# Altium PCB PCB1.PcbDoc (part 2 of 2) (continued)
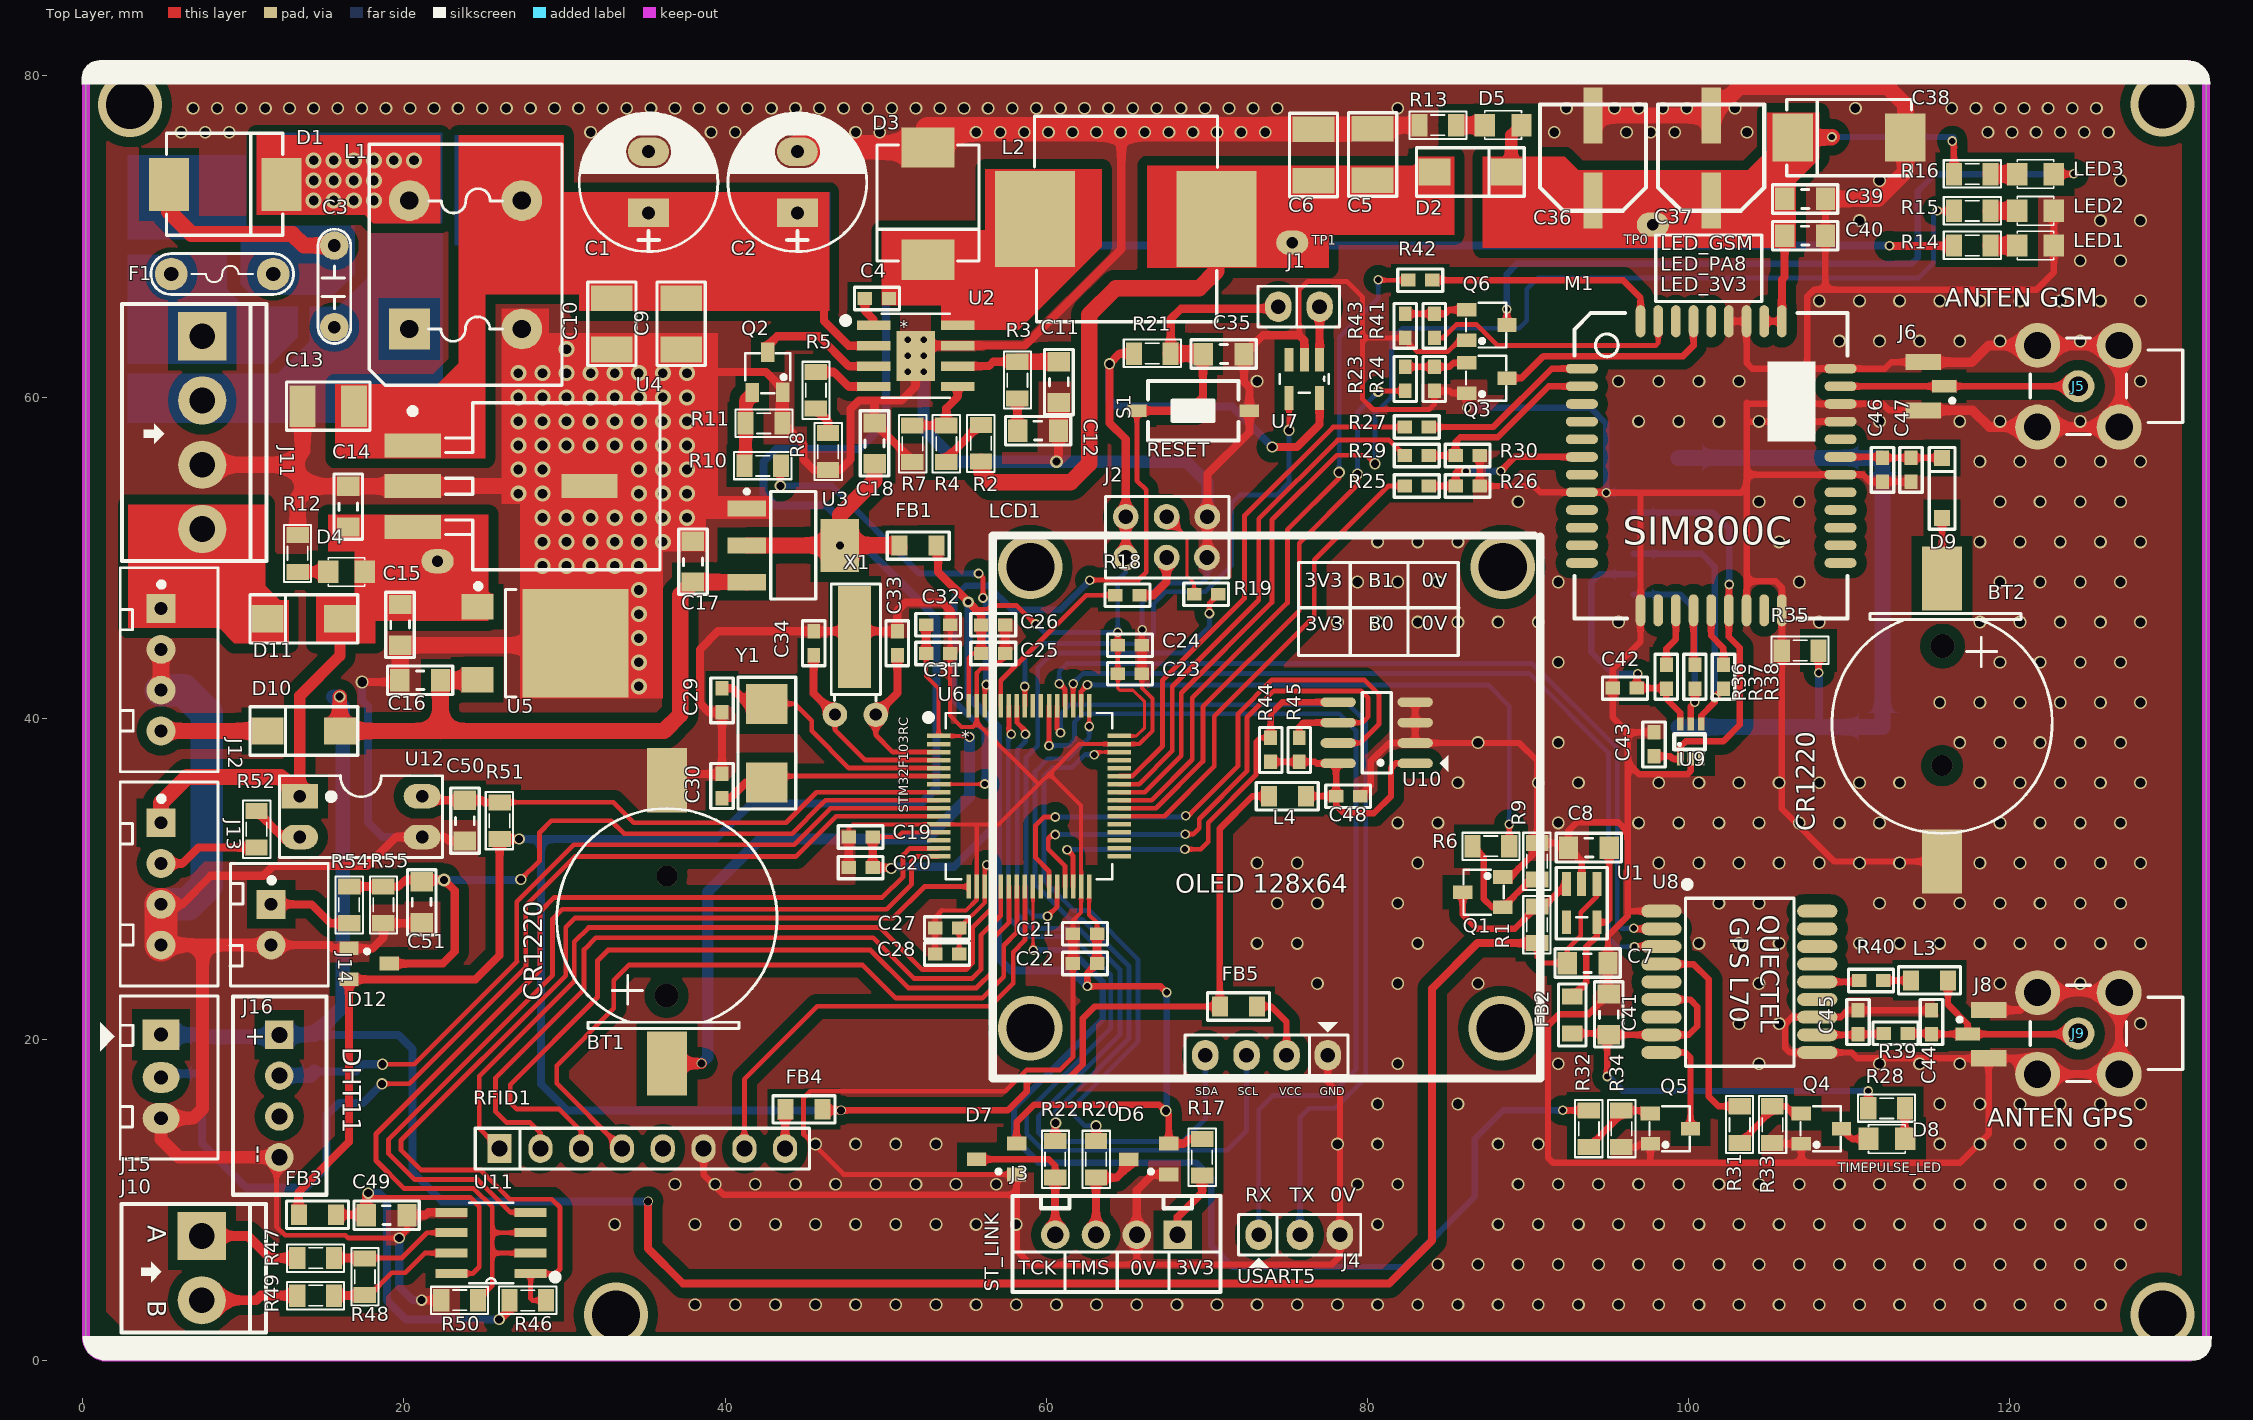
[diagram p0: Top Layer view]
## Nets (pads, with @x,y where several pads share a name; then routed paths per layer and width w, separated by ;. In a path a pad name is that pad's centre, name@x,y a point inside that pad or via, vN(x,y) a via of type N, cw(c..) or ccw(c..) an arc to the next point about the centre after c; other vN are vias at no path point) (continued)
GSM_NETLIGHT: M1.41 R41.1 | length 16.2
  Top Layer w0.3: R41.1@84.16,63.691 84.696,63.691 85.522,64.516 86.792,64.516 88.095,63.213 97.935,63.213 98.097,63.375 M1.41@98.097,64.728
GSM_PWRKEY: R23.1 U6.39 | length 35.7
  Top Layer w0.3: U6.39@64.543,34.404 66.829,34.404 69.748,37.323 69.748,40.716 75.743,46.711 75.743,50.902 79.375,54.534 v4(79.375,55.22) ; v7(80.67,60.35) 80.709,60.389 R23.1@82.347,60.389
  Bottom Layer w0.3: v4(79.375,55.22) 79.375,59.055 v7(80.67,60.35)
GSM_RF: J5.1 J6.1 M1.32 | length 14.8
  Top Layer w0.4: M1.32@109.447,60.678 115.902,60.678 J6.1@115.905,60.681 J5.1@124.257,60.681
GSM_RXD: R27.1 U6.43 | length 32.2
  Top Layer w0.3: U6.43@64.543,36.404 65.36,36.404 67.234,38.278 67.234,42.367 72.339,47.473 72.339,52.629 77.851,58.141 R27.1@82.309,58.141
GSM_STATUS: R42.2 U6.40 | length 42.1
  Top Layer w0.3: U6.40@64.543,34.904 66.552,34.904 69.088,37.44 69.088,41.275 75.006,47.193 75.006,51.74 78.232,54.966 v4(78.232,55.321) ; v3(80.67,67.31) 80.696,67.285 R42.2@82.536,67.285
  Bottom Layer w0.3: v4(78.232,55.321) 78.232,63.729 80.67,66.167 v3(80.67,67.31)
GSM_TXD: R29.1 U6.42 | length 32.4
  Top Layer w0.3: U6.42@64.543,35.904 65.774,35.904 67.843,37.973 67.843,41.986 73.228,47.371 73.228,52.426 78.13,57.328 81.344,57.328 R29.1@82.309,56.363
LCD_SCL: LCD1.3 U6.59 | length 52.5
  Top Layer w0.3: U6.59@57.667,40.78 57.667,39.158 v3(57.81,39.014)
  Bottom Layer w0.3: v3(57.81,39.014) 57.634,38.838 57.634,27.609 58.826,26.416 61.62,26.416 64.008,24.028 64.008,20.701 58.776,15.469 58.776,14.148 59.817,13.106 71.247,13.106 72.466,14.326 LCD1.3@72.466,19.025
LCD_SDA: LCD1.4 U6.58 | length 48.6
  Top Layer w0.3: U6.58@58.167,40.78 58.167,39.75 58.699,39.218 v3(58.699,39.014)
  Bottom Layer w0.3: v3(58.699,39.014) 58.699,38.557 58.188,38.045 58.188,27.842 59.106,26.924 62.001,26.924 64.592,24.333 64.592,20.32 59.512,15.24 59.512,14.199 60.05,13.66 68.504,13.66 69.901,15.057 LCD1.4@69.901,19.025
MCU_BOOT0: R18.1 U6.60 | length 10.9
  Top Layer w0.3: U6.60@57.167,40.78 57.167,42.359 58.048,43.24 58.06,43.24 58.297,43.476 58.297,43.489 62.479,47.671 R18.1@64.3,47.671
MCU_BOOT1: R19.1 U6.28 | length 32.9
  Top Layer w0.3: v3(60.071,27.686) 60.667,28.282 U6.28@60.667,29.527 ; v3(70.155,46.533) 70.155,47.181 R19.1@70.701,47.727
  Bottom Layer w0.3: v3(60.071,27.686) 59.207,27.686 58.742,28.152 58.742,37.583 59.461,38.303 59.461,43.155 60.376,44.069 68.478,44.069 70.155,45.745 v3(70.155,46.533)
MCU_RESET: C35.1 J1.1 R21.1 S1.1 U6.7 | length 57.9
  Top Layer w0.2: U6.7@53.291,35.904 56.147,35.904 v3(56.159,35.916)
  Top Layer w0.3: v3@62.814,48.616 65.735,48.616 66.218,49.098 66.218,54.229 65.639,54.808 S1.1@65.639,59.157
  Top Layer w0.508: S1.1@65.639,59.157 68.885,59.157 ; R21.1@67.742,62.713 67.742,64.872 68.377,65.507 74.219,65.507 J1.1@74.346,65.634 ; 69.266,59.157 68.885,59.157 ; C35.1@69.748,62.713 69.748,60.02 68.885,59.157
  Top Layer w1: R21.1@67.742,62.713 C35.1@69.748,62.713
  Bottom Layer w0.4: v3(56.159,35.916) 56.159,39.192 54.254,41.097 54.254,47.523 54.991,48.26 56.376,48.26 57.861,46.775 60.885,46.775 v3(62.713,48.602)
MCU_TCK: R22.2 U6.49 | length 34
  Top Layer w0.2: v3(62.667,39.497) U6.49@62.667,40.78
  Top Layer w0.4: R22.2@60.554,13.691 60.554,14.783 v4(60.579,14.808)
  Bottom Layer w0.3: v4(60.579,14.808) 60.579,15.523 65.146,20.091 65.146,24.563 62.231,27.478 61.498,27.478 59.296,29.681 59.296,36.69 60.096,37.49 61.366,37.49 62.667,38.791 v3(62.667,39.497)
MCU_TMS: R20.2 U6.46 | length 33.7
  Top Layer w0.2: v3(62.992,37.744) 63.151,37.904 U6.46@64.543,37.904
  Top Layer w0.4: R20.2@63.094,13.691 v4(63.094,14.63)
  Bottom Layer w0.3: v3(62.992,37.744) 62.404,37.744 61.596,36.936 60.381,36.936 59.85,36.405 59.85,29.91 61.718,28.042 62.662,28.042 65.7,25.003 65.7,19.861 61.667,15.828 61.667,15.346 62.382,14.63 v4(63.094,14.63)
MCU_WDI: U6.57 U7.4 | length 32.6
  Top Layer w0.3: U6.57@58.667,40.78 v3(58.667,41.986) ; v4(75.108,57.937) 75.113,57.942 U7.4@75.113,59.944
  Bottom Layer w0.3: v3(58.667,41.986) 58.667,43.833 59.487,44.653 64.155,44.653 64.16,44.648 66.091,44.648 66.668,45.225 66.668,47.114 67.438,47.884 69.902,47.884 71.526,49.509 71.526,53.391 72.034,53.899 74.32,53.899 75.108,54.686 v4(75.108,57.937)
NetBT2_1: BT2.1 D9.1 | length 3.8
  Top Layer w0.4: BT2.1@115.773,48.717 D9.1@115.773,52.482
NetC3_2: C3.2 D1.1 F1.2 | length 17.9
  Top Layer w1: D1.1@5.378,73.254 5.378,71.559 6.782,70.155 13.056,70.155 13.767,69.444 C3.2@15.672,69.444
  Bottom Layer w1: F1.2@11.862,67.666 14.732,67.666 15.672,68.605 C3.2@15.672,69.444
NetC4_1: C4.1 U2.1 | length 1.9
  Top Layer w0.508: C4.1@48.704,66.149 48.704,65.368 49.243,64.829 U2.1@49.243,64.475
NetC4_2: C4.2 D3.2 L2.1 U2.8 | length 17.1
  Top Layer w0.508: C4.2@50.204,66.149 52.629,66.149 ; D3.2@52.629,68.555 52.629,66.149 ; U2.8@54.475,64.475 54.475,65.438 53.765,66.149 52.629,66.149
  Top Layer w1.524: D3.2@52.629,68.555 59.298,68.555 L2.1@59.298,71.095
NetC11_2: C11.2 R3.2 U2.6 | length 6.4
  Top Layer w0.508: U2.6@54.475,61.935 56.423,61.935 56.693,62.205 R3.2@58.191,62.205
  Top Layer w1.016: R3.2@58.191,62.205 C11.2@60.782,62.205
NetC12_2: C12.2 R3.1 | length 1.9
  Top Layer w0.508: R3.1@58.191,59.919 58.191,58.064 C12.2@58.217,58.039
NetC29_1: C29.1 U6.5 Y1.2 | length 15.9
  Top Layer w0.3: Y1.2@42.596,40.906 44.337,40.906 45.39,39.853 45.39,39.218 47.704,36.904 U6.5@53.291,36.904
  Top Layer w0.508: C29.1@39.802,41.873 40.449,41.873 41.416,40.906 Y1.2@42.596,40.906
NetC30_1: C30.1 U6.6 Y1.1 | length 14.2
  Top Layer w0.3: Y1.1@42.596,36.006 42.994,36.404 U6.6@53.291,36.404
  Top Layer w0.508: C30.1@39.675,35.039 C30.1@39.802,35.039 40.322,35.039 41.289,36.006 Y1.1@42.596,36.006
NetC33_1: C33.1 U6.3 X1.1 | length 9.9
  Top Layer w0.3: X1.1@49.378,40.234 49.378,38.964 50.438,37.904 U6.3@53.291,37.904
  Top Layer w0.5: X1.1@49.378,40.234 50.724,41.58 C33.1@50.724,43.929
NetC34_1: C34.1 U6.4 X1.2 | length 12.4
  Top Layer w0.3: X1.2@46.838,40.234 46.838,39.294 48.728,37.404 U6.4@53.291,37.404
  Top Layer w0.5: C34.1@45.517,43.929 45.517,41.554 X1.2@46.838,40.234
NetC45_2: C45.2 R39.2 U8.11 | length 4.2
  Top Layer w0.4: U8.11@108.001,20.297 110.498,20.297 C45.2@110.541,20.339 112.077,20.339 R39.2@112.127,20.389
NetD1_2: D1.2 L1.4 | length 8.4
  Top Layer w1: D1.2@12.37,73.254 19.33,73.254 L1.4@20.341,72.243
  other v2: 14.377,72.243 15.627,72.243 16.877,72.243 18.127,72.243 14.377,73.493 15.627,73.493 16.877,73.493 18.127,73.493 14.377,74.743 15.627,74.743 16.877,74.743 18.127,74.743 19.377,74.743 20.627,74.743
NetD4_2: D4.2 R12.2 | length 2.2
  Top Layer w0.635: R12.2@13.056,49.124 13.057,49.122 D4.2@15.28,49.122
NetD5_2: D5.2 R13.2 | length 1.8
  Top Layer w1.016: R13.2@85.522,76.937 D5.2@87.3,76.937
NetD6_3: D6.3 J3.3 R20.1 | length 6.3
  Top Layer w0.5: J3.3@63.094,7.849 R20.1@63.094,11.405 64.389,11.405 65.126,12.141 D6.3@65.126,12.548
NetD7_3: D7.3 J3.4 R22.1 | length 9.4
  Top Layer w0.4: D7.3@55.651,12.548 60.147,12.548 60.554,12.141 R22.1@60.554,11.405
  Top Layer w0.5: J3.4@60.554,7.849 R22.1@60.554,11.405
NetD8_1: D8.1 R28.1 | length 1.9
  Top Layer w0.4: R28.1@113.462,15.723 113.462,13.833 D8.1@113.477,13.818
NetD8_2: D8.2 Q4.2 | length 1.9
  Top Layer w0.4: Q4.2@109.505,14.453 110.14,13.818 D8.2@111.191,13.818
NetJ1_2: J1.2 U7.1 | length 3.3
  Top Layer w0.508: U7.1@77.013,62.332 J1.2@77.013,65.634
NetJ2_2: J2.2 R18.2 | length 3.6
  Top Layer w0.508: R18.2@65.8,47.671 66.67,47.671 67.488,48.489 J2.2@67.488,50.013
NetJ2_5: J2.5 R19.2 | length 5.5
  Top Layer w0.2: J2.5@67.488,52.553 68.758,51.283 68.758,48.87 69.201,48.427 R19.2@69.201,47.727
NetJ3_1: J3.1 R17.1 | length 4.3
  Top Layer w0.5: J3.1@68.174,7.849 68.174,8.941 69.698,10.465 R17.1@69.698,11.532
NetJ7_7: J7.7 R35.1 | length 47
  Top Layer w0.4: R35.1@108.077,44.221 108.077,42.875 v3(108.102,42.85)
  Bottom Layer w0.4: 108.102,39.536 108.179,39.46
  Bottom Layer w0.5: 108.102,39.536 v3(108.102,42.85)
  Bottom Layer w1: J7.7@99.365,39.46 108.179,39.46 J7.7@112.065,39.46 J7.7@112.065,56.224 J7.7@99.365,56.224
NetL3_2: L3.2 R40.1 | length 1.7
  Top Layer w0.4: R40.1@112.103,23.681 L3.2@113.843,23.681
NetLED1_1: LED1.1 R14.1 | length 1.7
  Top Layer w1: R14.1@118.796,69.444 LED1.1@120.447,69.444
NetLED2_1: LED2.1 R15.1 | length 1.7
  Top Layer w1: R15.1@118.796,71.603 LED2.1@120.447,71.603
NetLED3_1: LED3.1 R16.1 | length 1.7
  Top Layer w1: R16.1@118.796,73.889 LED3.1@120.447,73.889
NetM1_15: M1.15 R36.2 | length 3.6
  Top Layer w0.4: R36.2@98.603,43.347 98.603,44.323 99.197,44.917 M1.15@99.197,46.728
NetM1_16: M1.16 R37.2 | length 3.4
  Top Layer w0.4: M1.16@100.297,46.728 100.297,43.431 R37.2@100.381,43.347
NetM1_17: M1.17 R38.2 | length 3.7
  Top Layer w0.4: M1.17@101.397,46.728 101.397,45.136 102.159,44.374 R38.2@102.159,43.347
NetQ1_2: Q1.2 R1.1 U1.3 | length 9.4
  Top Layer w0.4: Q1.2@85.923,29.185 85.923,27.793 86.819,26.897 89.158,26.897 R1.1@90.557,28.296 90.988,28.296 U1.3@92.385,29.693
NetQ1_3: Q1.3 R6.1 R9.2 | length 7.8
  Top Layer w0.4: R6.1@86.538,32.04 87.224,31.355 87.224,28.768 87.757,28.235 Q1.3@88.423,28.235 90.146,29.958 R9.2@90.557,29.958
NetQ2_2: Q2.2 U2.3 | length 8
  Top Layer w0.508: Q2.2@42.647,62.794 42.647,63.207 43.231,63.792 45.835,63.792 47.692,61.935 U2.3@49.243,61.935
NetQ2_3: Q2.3 R10.2 R11.2 | length 4.1
  Top Layer w0.762: R10.2@41.275,56.363 R11.2@41.275,58.369 41.275,59.873 Q2.3@41.697,60.294
NetQ3_3: Q3.3 R23.2 R24.2 | length 3.9
  Top Layer w0.4: R23.2@82.347,61.889 R24.2@84.16,61.889 85.104,61.889 85.354,62.139 Q3.3@86.177,62.139
NetQ4_3: Q4.3 R31.2 R33.2 | length 5.1
  Top Layer w0.4: R31.2@103.175,13.564 105.207,15.596 R33.2@105.207,15.85 106.045,15.85 106.492,15.403 Q4.3@107.005,15.403
NetQ5_3: Q5.3 R32.2 R34.2 | length 5
  Top Layer w0.4: R32.2@93.777,13.31 95.809,15.342 R34.2@95.809,15.596 97.414,15.596 Q5.3@97.607,15.403
NetQ6_3: Q6.3 R41.2 R43.2 | length 3.9
  Top Layer w0.4: R43.2@82.347,65.191 R41.2@84.16,65.191 84.85,65.191 85.1,65.441 Q6.3@86.177,65.441
NetR2_1: R2.1 R4.2 | length 3.1
  Top Layer w0.508: R4.2@53.772,55.956 53.772,56.185 R2.1@55.829,58.242
NetR5_1: R5.1 R8.2 | length 1.8
  Top Layer w0.508: R5.1@45.644,59.284 46.406,58.522 R8.2@46.406,57.76
NetR5_2: R5.2 U2.4 | length 4
  Top Layer w0.508: R5.2@45.644,61.57 46.787,61.57 47.692,60.665 U2.4@49.243,60.665
NetR40_2: R40.2 U8.14 | length 2.6
  Top Layer w0.4: U8.14@108.001,23.597 110.519,23.597 R40.2@110.603,23.681
NetR47_2: R47.2 R48.2 U11.6 | length 8
  Top Layer w0.3: R48.2@17.54,6.401 19.863,6.401 21.438,7.976 U11.6@22.962,7.976
  Top Layer w0.5: R47.2@15.646,6.401 R48.2@17.54,6.401
NetR48_1: R48.1 R49.2 U11.7 | length 8.4
  Top Layer w0.3: R48.1@17.54,4.064 17.831,4.064 19.253,5.486 20.091,5.486 21.311,6.706 U11.7@22.962,6.706
  Top Layer w0.5: R49.2@15.646,4.064 R48.1@17.54,4.064
NetR52_2: R52.2 U12.2 | length 3.4
  Top Layer w0.5: R52.2@10.82,34.239 12.446,32.614 U12.2@13.513,32.614
NPN_IN: J13.2 R52.1 | length 6.4
  Top Layer w0.5: J13.2@4.877,30.963 6.223,30.963 7.214,31.953 R52.1@10.82,31.953
POWERKEY: M1.39 Q3.2 | length 14
  Top Layer w0.4: Q3.2@88.677,61.189 89.586,61.189 90.957,62.56 99.644,62.56 100.297,63.213 M1.39@100.297,64.728
RFID_MISO: RFID1.4 U6.23 | length 45.7
  Top Layer w0.3: RFID1.4@33.579,13.208 29.515,17.272 29.515,18.385 33.071,21.941 33.071,23.698 34.011,24.638 48.565,24.638 50.622,22.581 56.007,22.581 57.353,23.927 57.353,25.857 58.167,26.671 U6.23@58.167,29.527
RFID_MOSI: RFID1.3 U6.22 | length 49.3
  Top Layer w0.3: RFID1.3@31.039,13.208 31.039,14.3 29.667,15.672 27.026,15.672 26.619,16.078 26.619,17.196 32.055,22.631 32.055,24.917 32.715,25.578 49.047,25.578 51.41,23.216 55.651,23.216 56.693,24.257 56.693,26.314 57.667,27.288 U6.22@57.667,29.527
RFID_RST: RFID1.7 U6.24 | length 29.9
  Top Layer w0.3: RFID1.7@41.199,13.208 41.199,17.526 45.745,22.073 56.515,22.073 57.937,23.495 57.937,25.451 58.667,26.18 U6.24@58.667,29.527
RFID_SCK: RFID1.2 U6.21 | length 48.7
  Top Layer w0.3: RFID1.2@28.499,13.208 28.499,14.199 27.864,14.834 26.391,14.834 25.705,15.519 25.705,17.628 31.217,23.139 31.217,25.603 31.953,26.34 49.225,26.34 51.765,23.8 55.363,23.8 55.922,24.359 55.922,26.483 57.167,27.728 U6.21@57.167,29.527
RFID_SS: RFID1.1 U6.20 | length 47.6
  Top Layer w0.3: RFID1.1@25.959,13.208 24.689,14.478 24.689,17.729 30.605,23.645 30.605,26.083 31.496,26.975 49.657,26.975 52.273,24.359 54.996,24.359 55.414,24.776 55.414,26.991 56.667,28.244 U6.20@56.667,29.527
ROM_SCL: R45.2 U6.29 U10.6 | length 36
  Top Layer w0.3: v3(60.554,32.766) 60.376,32.766 60.122,32.512 60.122,31.852 61.167,30.807 U6.29@61.167,29.527 ; v3(68.656,32.791) 69.15,32.791 69.525,33.166 69.525,33.736 72.492,36.703 72.492,40.056 74.148,41.713 79.598,41.713 80.035,41.275 80.035,40.107 79.667,39.739 U10.6@78.169,39.739
  Top Layer w0.4: R45.2@75.743,38.788 75.743,39.472 76.01,39.739 U10.6@78.169,39.739
  Bottom Layer w0.3: v3(60.554,32.766) 68.631,32.766 v3(68.656,32.791)
ROM_SDA: R44.2 U6.30 U10.5 | length 26
  Top Layer w0.3: v3(61.29,31.826) 61.667,31.45 U6.30@61.667,29.527 ; v3(68.631,31.852) 69.621,31.852 70.079,32.309 70.079,33.507 73.046,36.474 73.046,38.552 73.281,38.788 R44.2@73.965,38.788
  Top Layer w0.4: R44.2@73.965,38.788 73.965,40.284 74.689,41.009 U10.5@78.169,41.009
  Bottom Layer w0.3: v3(61.29,31.826) 68.656,31.826 v3(68.631,31.852)
ROM_WP: U6.27 U10.7 | length 36.5
  Top Layer w0.3: U6.27@60.167,29.527 60.167,30.493 59.334,31.326 59.334,33.35 59.837,33.852 60.167,33.852 60.173,33.858 v3(60.554,33.858) ; v3(68.682,33.934) 68.859,33.934 68.971,34.046 68.971,34.071 71.938,37.038 71.938,40.285 74.045,42.393 79.807,42.393 80.721,41.478 80.721,39.649 79.54,38.469 U10.7@78.169,38.469
  Bottom Layer w0.3: v3(60.554,33.858) 68.605,33.858 v3(68.682,33.934)
RS485_DIR: R50.2 U6.15 U11.2 U11.3 | length 66.3
  Top Layer w0.3: R50.2@24.613,3.772 25.502,4.661 25.502,6.706 ; U11.2@27.889,6.706 25.502,6.706 ; U11.3@27.889,7.976 25.502,7.976 ; U6.15@53.291,31.904 51.493,31.904 51.079,31.49 51.079,30.15 49.784,28.854 29.362,28.854 28.473,27.965 28.473,24.333 18.263,14.122 18.263,12.471 20.008,10.726 24.356,10.726 25.502,9.58 25.502,7.976 ; 25.502,6.706 25.502,7.976
RS485_RX: R46.1 U6.17 U11.1 | length 64
  Top Layer w0.3: R46.1@28.854,3.759 28.016,3.759 27.889,3.886 U11.1@27.889,5.436 29.439,5.436 29.718,5.715 29.718,9.55 29.21,10.058 26.59,10.058 24.761,11.887 21.057,11.887 19.812,13.132 19.812,13.716 30.074,23.978 30.074,27 30.637,27.564 50.449,27.564 52.413,29.527 U6.17@55.123,29.527
RS485_TX: U6.16 U11.4 | length 55.7
  Top Layer w0.3: U11.4@27.889,9.246 26.619,9.246 24.585,11.28 20.673,11.28 19.05,12.903 19.05,13.792 29.261,24.003 29.261,27.508 29.87,28.118 50.063,28.118 51.613,29.667 51.613,31.09 51.927,31.404 U6.16@53.291,31.404
SIM_CLK: J7.6 R37.1 U9.5 | length 12.3
  Top Layer w0.4: U9.5@100.127,39.649 100.127,40.742 v3(100.381,40.996) R37.1@100.381,41.847
  Bottom Layer w0.4: J7.6@96.571,47.715 99.478,47.715 100.381,46.812 v3(100.381,40.996)
SIM_DATA: C42.1 J7.5 R36.1 U9.6 | length 16
  Top Layer w0.4: v3(96.825,42.78) 96.772,42.727 C42.1@96.772,41.885 98.565,41.885 R36.1@98.603,41.847 98.603,41.224 99.477,40.35 U9.6@99.477,39.649
  Bottom Layer w0.4: J7.5@96.571,48.985 94.451,48.985 93.929,48.463 93.929,44.12 95.269,42.78 v3(96.825,42.78)
SIM_RST: J7.4 R38.1 U9.4 | length 16.3
  Top Layer w0.4: U9.4@100.777,39.649 100.777,40.172 101.606,41.002 v3(101.606,41.294) R38.1@102.159,41.847
  Bottom Layer w0.4: J7.4@96.571,50.255 100.799,50.255 101.606,49.448 v3(101.606,41.294)
SIM_VCC: C43.1 J7.2 M1.18 U9.1 | length 25.6
  Top Layer w0.4: C43.1@97.841,37.629 98.86,37.629 99.019,37.47 U9.1@99.477,37.47 99.477,38.236 99.823,38.583 102.159,38.583 103.175,39.599 103.175,44.399 102.497,45.077 M1.18@102.497,46.728 102.497,48.319 v3(102.514,48.336)
  Bottom Layer w0.4: J7.2@96.571,52.795 101.51,52.795 102.514,51.791 v3(102.514,48.336)
STATUS: M1.42 R42.1 | length 14.9
  Top Layer w0.4: R42.1@84.036,67.285 95.91,67.285 96.997,66.198 M1.42@96.997,64.728
UART1_DTR: M1.6 R25.2 R26.2 | length 10.8
  Top Layer w0.4: R25.2@83.809,54.47 R26.2@85.482,54.47 85.482,55.282 85.598,55.397 v3(86.131,55.397) ; v3(88.29,55.397) 89.171,56.278 M1.6@93.347,56.278
  Bottom Layer w0.4: v3(86.131,55.397) v3(88.29,55.397)
UART1_RXD: M1.2 R29.2 R30.2 | length 11.8
  Top Layer w0.4: R29.2@83.809,56.363 R30.2@85.482,56.363 85.482,57.212 85.776,57.506 88.113,57.506 91.285,60.678 M1.2@93.347,60.678
UART1_TXD: M1.1 R27.2 | length 11
  Top Layer w0.4: R27.2@83.809,58.141 87.833,58.141 91.47,61.778 M1.1@93.347,61.778
USART5_RX: J4.1 U6.54 | length 59.5
  Top Layer w0.3: v3(60.167,38.303) U6.54@60.167,40.78
  Bottom Layer w0.3: v3(60.167,38.303) 61.392,38.303 61.747,38.659 61.747,39.751 62.281,40.284 78.232,40.284 79.273,39.243 79.273,18.136 77.648,16.51 74.093,16.51 73.228,15.645 J4.1@73.228,7.849
USART5_TX: J4.2 U6.53 | length 57.2
  Top Layer w0.3: U6.53@60.667,40.78 60.667,39.333 v3(60.884,39.116)
  Bottom Layer w0.3: v3(60.884,39.116) 60.884,40.259 61.468,40.843 78.816,40.843 79.883,39.776 79.883,17.628 77.983,15.727 76.357,15.727 75.794,15.164 75.794,10.541
  Bottom Layer w0.4: J4.2@75.794,7.849 75.794,10.541
USER_LED: R15.2 U6.41 | length 79.6
  Top Layer w0.3: U6.41@64.543,35.404 66.138,35.404 68.402,37.668 68.402,41.58 74.045,47.223 74.045,52.353 78.08,56.388 79.934,56.388 v4(80.467,55.855) ; v3(115.468,71.603) R15.2@116.51,71.603
  Bottom Layer w0.3: v4(80.467,55.855) 80.467,58.99 80.483,58.99 81.483,59.99 81.483,63.602 82.169,64.287 89.447,64.287 89.916,64.757 89.916,66.736 90.592,67.412 114.275,67.412 115.24,68.377 115.24,71.374 v3(115.468,71.603)
VBAT: BT1.1 C31.2 C32.2 U6.1 | length 44.7
  Top Layer w0.254: C31.2@52.514,44.044 52.514,42.647 53.291,41.87 U6.1@53.291,38.904 55.153,38.904 v3(55.22,38.837)
  Top Layer w0.508: C31.2@52.514,44.044 C32.2@52.514,45.83
  Top Layer w0.7: BT1.1@36.373,18.517 v6(38.532,18.517)
  Bottom Layer w0.7: v6(38.532,18.517) 38.913,18.898 38.913,29.185 42.215,32.487 52.553,32.487 55.22,35.154 v3(55.22,38.837)
VIN_BAT: J14.1 R54.1 | length 5.3
  Top Layer w0.5: J14.1@11.735,28.423 14.249,28.423 15.429,27.243 R54.1@16.586,27.243
VRTC: C46.2 C47.2 D9.2 M1.28 | length 6.3
  Top Layer w0.4: M1.28@109.447,56.278 112.011,56.278 C46.2@112.065,56.224 C47.2@113.843,56.224 D9.2@115.773,56.224
pads on no net: J7.3 J16.3 M1.3 M1.4 M1.5 M1.7 M1.9 M1.10 M1.11 M1.12 M1.14 M1.20 M1.22 M1.23 M1.24 M1.25 M1.26 M1.29 M1.38 M1.40 RFID1.5 U1.4 U6.2 U6.14 U6.26 U6.33 U6.34 U6.35 U6.36 U6.37 U6.44 U6.45 U6.55 U6.56 U6.61 U7.3 U8.5 U8.7 U8.13 U8.15 U8.16 U8.17 U8.18 U9.3 X1.3
copper on no net:
  other v5: 33.198,2.87 129.489,2.87 59.004,20.701 88.29,20.701 59.004,49.428 88.417,49.428 2.946,78.207 129.489,78.232
  other v8: 36.373,30.175 115.773,37.059
  other v9: 36.347,22.733 115.799,44.501

## Polygon pours and split planes (outlines as drawn)
no net on Bottom Overlay (solid): 0,2.311 0,1.372 ccw(c1.321,1.372) 1.321,0.051 131.216,0.051 ccw(c131.216,1.321) 132.486,1.321 132.486,2.311
no net on Bottom Overlay (solid): 132.436,78.715 132.436,79.654 ccw(c131.115,79.654) 131.115,80.975 1.219,80.975 ccw(c1.219,79.705) -0.051,79.705 -0.051,78.715
GND on Bottom Layer "BOT_GND" (solid, remove dead copper, pour order 0): 2.769,79.477 129.438,79.477 129.438,1.473 2.769,1.473 2.769,75.743
GND on Top Layer "TOP_GND" (solid, remove dead copper, pour order 2): 1.473,79.553 130.708,79.553 130.708,1.88 130.632,1.803 2.718,1.803 1.473,3.048

## Keep-outs
Keep-Out Layer:
  lines w0.5: 0.203,1.473 ccw(c1.473,1.473) 1.473,0.203 2.413,0.203 131.039,0.203 ccw(c131.039,1.372) 132.207,1.372 132.207,79.477 ccw(c130.937,79.477) 130.937,80.747 2.159,80.747 1.473,80.747 ccw(c1.473,79.477) 0.203,79.477 0.203,78.791 0.203,2.413 0.203,1.473

## Other copper
Top Layer:
  region net +4V2: 66.294,74.397 83.109,74.397 83.109,74.955 85.395,74.955 85.395,70.104 77.572,70.104 77.572,68.047 66.294,68.047
  region net +4V_GSM: 92.278,74.955 93.116,74.117 103.657,74.117 104.877,75.336 104.877,77.699 108.128,77.699 108.128,74.854 106.655,73.381 106.655,69.291 87.173,69.291 87.173,74.955
  region net NetC4_2: 53.442,65.735 49.759,65.735 49.759,70.383 56.21,70.383 56.21,74.193 63.449,74.193 63.449,69.367 58.268,64.186 55.804,64.186 53.442,64.186
  region net GND: 36.119,41.25 36.119,50.394 38.786,50.394 38.786,52.426 42.723,52.426 42.723,53.823 39.548,53.823 39.548,63.983 29.007,63.983 29.007,65.507 26.086,65.507 26.086,53.364 27.229,53.324 27.229,41.25
  region net +VIN: 25.07,56.21 15.735,56.21 15.735,59.665 15.735,60.808 22.101,60.808 23.419,62.125 23.419,76.302 29.954,76.302 29.954,72.746 46.469,72.746 46.469,65.38 30.912,65.38 30.912,66.421 25.07,66.421
  region net NetD1_2: 10.846,76.302 10.846,71.349 17.577,71.349 18.085,70.841 22.276,70.841 22.276,76.302
  region net +12V_OUTPUT: 2.845,53.315 11.354,53.315 11.354,48.272 12.28,47.346 12.815,47.346 12.815,44.679 9.449,44.679 8.496,45.631 2.845,45.631
  region net +12V: 15.291,52.68 25.26,52.68 25.26,46.076 18.212,46.076 18.212,44.679 14.529,44.679 14.529,47.727 16.942,47.727 16.942,50.394 15.291,50.394
Bottom Layer:
  region net NetC3_2: 2.794,75.057 10.185,75.057 10.185,76.454 10.185,70.688 16.942,70.688 16.942,67.666 15.646,66.37 10.49,66.37 9.83,67.031 9.83,69.825 2.794,69.825
  region net NetD1_2: 10.871,76.454 22.377,76.454 22.377,70.841 18.288,70.841 17.704,71.425 10.871,71.425
  region net +VIN: 23.165,76.302 29.896,76.302 29.896,72.746 46.533,72.746 46.533,69.444 23.165,69.444
  region net GND_INPUT: 2.794,61.443 12.116,61.443 14.149,63.476 14.149,65.634 15.926,65.634 17.704,67.412 17.704,70.206 22.403,70.206 22.403,58.395 2.794,58.395
  region net +VDC_INPUT: 2.794,68.859 8.966,68.859 8.966,66.751 10.084,65.634 13.386,65.634 13.386,63.729 11.735,62.078 2.794,62.078

## Silkscreen, mask and mechanical layers (free items; w line width, h text height)
Top Overlay:
  circle w0.4: c99.901,29.667 r0.2
  circle w0.4: c52.657,40.056 r0.2
  circle w0.4: c47.501,64.77 r0.2
  circle w0.4: c29.415,5.209 r0.2
  region: 132.548,1.524 0.018,1.524 0.018,1.422 ccw(c1.415,1.422) 1.415,0.025 131.438,0.025 ccw(c131.438,1.118) 132.53,1.118
  region: -0.069,79.477 132.461,79.477 132.461,79.578 ccw(c131.064,79.578) 131.064,80.975 1.041,80.975 ccw(c1.041,79.883) -0.051,79.883
  region: 4.877,78.791
  lines w0.2: 57.887,6.782 70.841,6.782 ; 61.011,6.782 61.163,6.782 61.163,4.293 64.414,4.293 64.414,6.782 ; 67.64,4.293 67.64,6.782 ; 75.692,46.888 85.674,46.888 ; 78.842,49.708 78.918,49.708 78.918,43.917 ; 82.525,43.917 82.525,49.708 ; 75.692,43.917 75.692,49.708 85.649,49.708 85.649,43.917 75.692,43.917 ; 97.942,65.964 97.942,70.104 104.546,70.104 104.546,65.964 97.942,65.964
  text "TP0" at 95.961,69.291 h1
  text "TP1" at 76.53,69.266 h1
  text "LED_GSM" at 98.222,68.834 h1.5
  text "LED_PA8" at 98.222,67.564 h1.5
  text "LED_3V3" at 98.222,66.294 h1.5
  text "ANTEN GSM" at 115.926,65.228 h2
  text "RESET" at 66.243,55.982 h1.5
  text "3V3" at 76.073,47.854 h1.5
  text "B1" at 80.035,47.854 h1.5
  text "0V" at 83.388,47.854 h1.5
  text "0V" at 83.388,45.161 h1.5
  text "3V3" at 76.124,45.136 h1.5
  text "B0" at 80.035,45.136 h1.5
  text "STM32F103RC" at 51.613,34.112 h1 r90
  text "CR1220" at 108.255,32.969 h2 r90
  text "QUECTEL" at 104.064,27.762 h2 r270
  text "GPS L70" at 102.184,27.61 h2 r270
  text "CR1220" at 29.032,22.428 h2 r90
  text "+" at 9.855,20.828 h2 r270
  text "DHT11" at 15.799,19.533 h2 r270
  text "ANTEN GPS" at 118.593,14.173 h2
  text "--" at 10.058,13.411 h2 r270
  text "TIMEPULSE_LED" at 109.271,11.532 h1
  text "RX" at 72.39,9.601 h1.5
  text "TX" at 75.159,9.601 h1.5
  text "0V" at 77.673,9.601 h1.5
  text "A" at 3.632,8.433 h2 r270
  text "TCK" at 58.242,5.055 h1.5
  text "TMS" at 61.366,5.055 h1.5
  text "3V3" at 68.097,5.055 h1.5
  text "0V" at 65.227,5.029 h1.5
  text "USART5" at 71.882,4.521 h1.5
  text "ST_LINK" at 57.353,4.293 h1.5 r90
  text "B" at 3.632,3.759 h2 r270
Bottom Overlay:
  drawing of 1605 lines, arcs and shapes, not listed
  text "GIAM SAT MAY CONG TRINH" at 127.787,73.076 h5
  text "DESIGN BY TRANMANH V1.0" at 127.787,68.783 h5
  text "24V" at 2.921,62.459 h2 r270
  text "V_IN" at 9.651,59.995 h2 r270
  text "0V" at 2.921,58.903 h2 r270
  text "0V" at 2.921,55.143 h2 r270
  text "V_OUT" at 9.627,51.181 h2 r270
  text "TP3" at 23.012,50.876 h1
  text "12V" at 2.921,50.368 h2 r270
  text "12V" at 2.692,45.999 h2 r270
  text "0V" at 2.616,42.113 h2 r270
  text "VCC OUTPUT" at 9.398,38.049 h2 r270
  text "5V" at 2.616,37.922 h2 r270
  text "+" at 2.515,33.147 h2 r270
  text "--" at 2.642,26.467 h2 r270
  text "NPN SENSOR" at 0.584,24.867 h2 r270
  text "--BAT+" at 13.335,24.359 h2 r270
  text "+" at 2.515,19.812 h2 r270
  text "DS18B20" at 9.453,14.605 h2 r270
  text "--" at 2.616,14.427 h2 r270
  text "RS485" at 9.5,3.15 h2 r270
Top Solder:
  region: 111.687,62.385 112.01,62.708 cw(c112.388,62.33) 112.388,62.865 117.352,62.865 ccw(c117.352,63.161) 117.562,62.952 118.213,63.603 cw(c118.393,63.422) 118.394,63.678 119.913,63.678 cw(c119.863,63.45) 120.091,63.5 120.091,62.611 ccw(c120.98,62.611) 120.98,61.722 122.421,61.722 ccw(c122.421,62.107) 122.693,61.835 122.966,62.107 cw(c123.323,61.75) 123.323,62.255 125.067,62.255 cw(c125.067,61.697) 125.462,62.092 125.884,61.67 cw(c125.274,61.06) 126.136,61.06 126.136,59.95 cw(c125.57,59.95) 125.97,59.549 125.635,59.214 cw(c125.129,59.719) 125.129,59.004 123.638,59.004 cw(c123.638,59.78) 123.09,59.232 122.728,59.593 ccw(c122.432,59.297) 122.432,59.715 120.929,59.715 ccw(c120.929,58.826) 120.04,58.826 120.04,57.836 cw(c119.901,57.873) 119.939,57.734 118.298,57.734 cw(c118.298,58.005) 118.107,57.814 117.536,58.384 ccw(c117.389,58.237) 117.388,58.445 112.554,58.445 cw(c112.554,59.012) 112.153,58.611 111.745,59.019 ccw(c111.597,58.872) 111.597,59.08 108.407,59.08 cw(c108.471,59.398) 108.153,59.334 108.153,62.052 cw(c108.356,62.052) 108.356,62.255 111.373,62.255 ccw(c111.373,62.699)
Bottom Solder:
  region: 106.756,21.92 109.366,21.92 ccw(c109.366,22.303) 109.637,22.032 109.805,22.201 cw(c110.416,21.591) 110.416,22.454 119.49,22.454 cw(c119.49,21.739) 119.996,22.244 120.6,21.64 ccw(c121.211,22.25) 121.211,21.387 122.915,21.387 ccw(c122.915,21.683) 123.124,21.474 123.289,21.638 cw(c123.541,21.385) 123.541,21.742 125.222,21.742 cw(c125.197,21.311) 125.628,21.336 125.628,19.482 cw(c125.247,19.482) 125.247,19.101 123.603,19.101 cw(c123.603,19.545) 123.289,19.231 123.218,19.301 ccw(c123.027,19.11) 123.027,19.38 121.124,19.38 ccw(c121.124,18.727) 120.662,19.189 119.902,18.429 cw(c119.44,18.891) 119.44,18.237 110.441,18.237 cw(c110.441,19.345) 109.657,18.562 ccw(c109.215,18.119) 109.215,18.745 106.832,18.745 cw(c106.832,19.025) 106.553,19.025 106.553,21.717 cw(c106.756,21.717)

## Text inside footprints (layer, text, board x,y; h text height)
LCD1: Top Overlay "SDA" at 69.266,16.535 h0.51; Top Overlay "SCL" at 71.933,16.535 h0.51; Top Overlay "VCC" at 74.498,16.535 h0.51; Top Overlay "GND" at 77.038,16.535 h0.51; Top Overlay "OLED 128x64" at 68.021,28.727 h2
U2: Top Overlay "*" at 50.859,63.97 h0.79; Mechanical 1 "*" at 49.108,65.27 h0.79
U6: Top Overlay "*" at 54.717,38.454 h0.79; Mechanical 1 "*" at 54.243,39.154 h0.79
U11: Mechanical 1 "*" at 28.118,4.597 h0.79 r180